# Altium PCB SAM4N_Xplained_Pro.PcbDoc (part 3 of 3)
Units mm, origin at the board's own origin, x right, y up, seen from the top; angles counter-clockwise.
Board outline 60 x 100 mm, 4 copper layers (Top Layer LF-signals, GND, POWER, Bottom Layer LF-signals), stack 1.602 mm thick; 127 components, 136 nets, 617 pads, 312 vias.
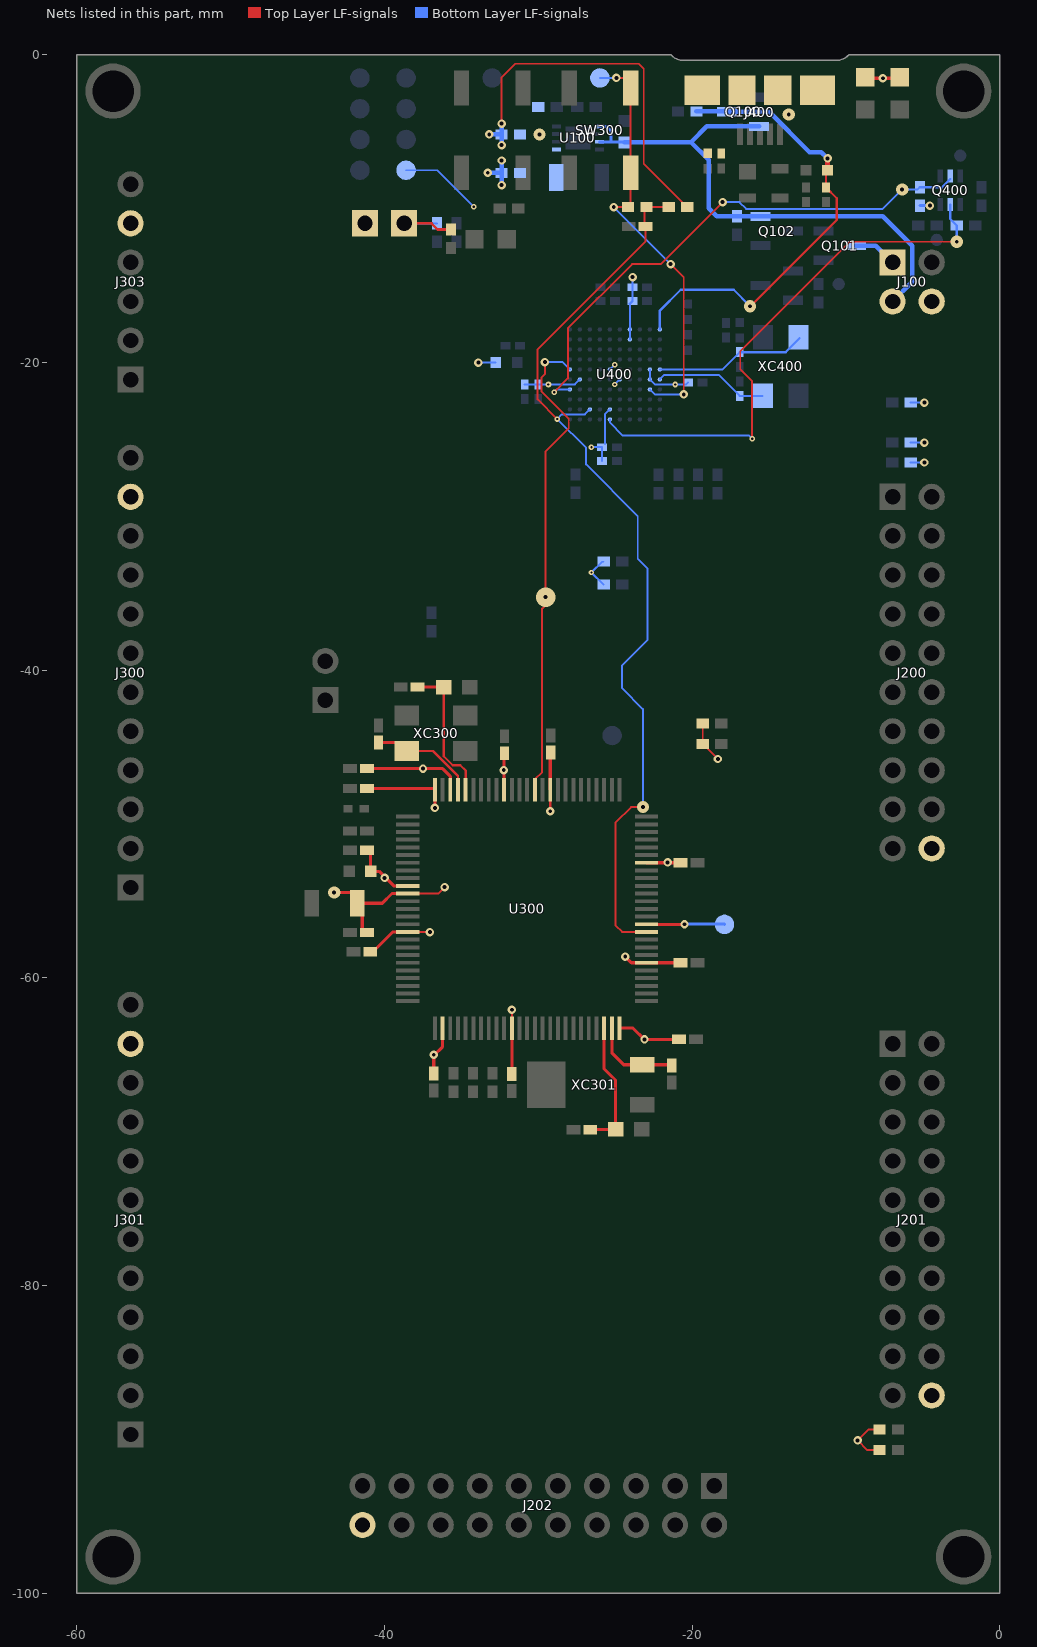
[diagram p5: the nets of this part, all layers, seen from the top]

## Via types
v1: diameter 0.55, hole 0.25, Top Layer LF-signals to Bottom Layer LF-signals, tented both sides, 201 vias
v2: diameter 0.55/0.8 (per signal layer), hole 0.25, Top Layer LF-signals to Bottom Layer LF-signals, tented top, 37 vias
v3: diameter 0.55, hole 0.25, Top Layer LF-signals to Bottom Layer LF-signals, 31 vias
v4: diameter 0.35, hole 0.15, Top Layer LF-signals to Bottom Layer LF-signals, tented both sides, 30 vias
v5: diameter 0.55, hole 0.25, Top Layer LF-signals to Bottom Layer LF-signals, tented top, 6 vias
v6: diameter 0.55/1.27 (per signal layer), hole 0.25, Top Layer LF-signals to Bottom Layer LF-signals, tented top, 3 vias
v7: diameter 0.38, hole 0.15, Top Layer LF-signals to Bottom Layer LF-signals, tented both sides, 2 vias
v8: diameter 0.35, hole 0.15, Top Layer LF-signals to Bottom Layer LF-signals, 1 vias
v9: diameter 0.38, hole 0.15, Top Layer LF-signals to Bottom Layer LF-signals, 1 vias

## Nets (pads, with @x,y where several pads share a name; then routed paths per layer and width w, separated by ;. In a path a pad name is that pad's centre, name@x,y a point inside that pad or via, vN(x,y) a via of type N, cw(c..) or ccw(c..) an arc to the next point about the centre after c; other vN are vias at no path point) (continued)
POWER_LED_CTRL: Q400.2 R410.1 U400.K4 | length 34.9
  Top Layer LF-signals w0.125: v4(-28.975,-21.925) -28.075,-21.025 -28.075,-17.775 -23.9,-13.6 -22.05,-13.6 v1(-18.025,-9.575)
  Bottom Layer LF-signals w0.125: v4(-28.975,-21.925) -28.8,-21.75 U400.K4@-27.95,-21.75 ; v1(-18.025,-9.575) -16.925,-9.575 -16.487,-10.013 -7.613,-10.013 v2(-6.35,-8.75) -5.35,-8.75 R410.1@-5.2,-8.6
  Bottom Layer LF-signals w0.15: R410.1@-5.2,-8.6 -3.753,-8.6 Q400.2@-3.225,-8.072
SHIELD: C403.2 J400.6 J400.7 J400.8 J400.9 R424.2
  other v2: -13.725,-3.875
STATUS_LED_CTRL: Q400.5 R413.2 U400.F1 | length 35.5
  Top Layer LF-signals w0.125: v4(-16.1,-24.95) -16.1,-21.225 -16.875,-20.45 -16.875,-19.279 -9.746,-12.15 v2(-2.8,-12.15)
  Bottom Layer LF-signals w0.125: U400.F1@-25.35,-23.7 -25.35,-23.898 -24.498,-24.75 -16.3,-24.75 v4(-16.1,-24.95)
  Bottom Layer LF-signals w0.15: Q400.5@-3.225,-9.725 -3.225,-10.675 R413.2@-2.8,-11.1
  Bottom Layer LF-signals w0.175: v2(-2.8,-12.15) R413.2@-2.8,-11.1
TARGET_ERASE: U300.87 U400.K6 | length 31.4
  Top Layer LF-signals w0.125: U300.87@-30.225,-47.765 -30.225,-47.1 -29.75,-46.625 -29.75,-36 -29.525,-35.775 v6(-29.525,-35.25) -29.525,-25.775 -28.025,-24.275 -28.025,-23.65 -29.8,-21.875 -29.8,-20.975 -29.575,-20.75 v1(-29.575,-19.975)
  Bottom Layer LF-signals w0.125: v1(-29.575,-19.975) -28.425,-19.975 U400.K6@-27.95,-20.45
TARGET_RESET: R303.1 SW300.3 SW300.4 TP300.1 U400.B4 | length 26.6
  Top Layer LF-signals w0.125: v5(-25.1,-9.9) R303.1@-24.175,-9.9 ; v1(-24.925,-1.5) SW300.4@-24.3,-1.5 ; R303.1@-24,-9.7 SW300.3@-24,-7.65 SW300.4@-24,-2.15 ; v1(-21.4,-13.6) -20.55,-14.45 v1(-20.55,-22.075)
  Bottom Layer LF-signals w0.125: TP300.1@-26,-1.5 v1(-24.925,-1.5) ; v5(-25.1,-9.9) v1(-21.4,-13.6) ; U400.B4@-22.75,-21.75 -22.425,-22.075 v1(-20.55,-22.075)
TARGET_RESET_SENSE: C300.1 R300.1 R303.2 U300.60 U400.H2 | length 61.1
  Top Layer LF-signals w0.125: v4(-28.775,-23.675) -30.05,-22.4 -30.05,-19.15 -23.025,-12.125 C300.1@-23.025,-11.15 ; v2(-23.2,-48.9) -23.975,-48.9 -24.975,-49.9 -24.975,-56.6 -24.555,-57.02 U300.60@-22.97,-57.02 ; C300.1@-23.1,-11.15 R303.2@-23.1,-9.8 ; R303.2@-22.975,-9.9 R300.1@-21.525,-9.9
  Bottom Layer LF-signals w0.125: U400.H2@-26.65,-23.05 -26.975,-23.375 -28.475,-23.375 v4(-28.775,-23.675) -26.9,-25.55 -26.9,-26.625 -23.537,-29.988 -23.537,-32.763 -22.9,-33.4 -22.9,-38.025 -24.557,-39.682 -24.557,-41.168 -23.2,-42.525 v2(-23.2,-48.9)
TST: TP304.1 U300.61 | length 5.1
  Top Layer LF-signals w0.2: U300.61@-22.97,-56.52 -20.505,-56.52 v5(-20.5,-56.515)
  Bottom Layer LF-signals w0.2: v5(-20.5,-56.515) -17.91,-56.515 TP304.1@-17.9,-56.525
VCC_EDBG_P3V3: C409.1 C410.1 C411.1 C412.1 C413.1 C414.1 C415.1 D400.2 D401.2 L402.1 R401.2 R402.2 R409.2 R410.2 R425.1 TP407.1 U400.B5 U400.B6 U400.D9 U400.D10 U400.E5 U400.F2 U400.F6 U400.J5 | length 30.7
  Top Layer LF-signals w0.2: D400.2@-8.756,-1.518 v1(-7.6,-1.518) D401.2@-6.47,-1.518
  Bottom Layer LF-signals w0.125: TP407.1@-38.6,-7.5 -36.575,-7.5 v4(-34.2,-9.875) ; v1(-33.9,-20) L402.1@-32.775,-20 ; C413.1@-30,-21.425 -27.625,-21.425 U400.J5@-27.3,-21.1 ; v4(-26.55,-25.5) C412.1@-25.85,-25.5 C415.1@-25.85,-26.4 ; C412.1@-25.675,-25.3 -25.675,-23.375 U400.F2@-25.35,-23.05 ; U400.F6@-25.35,-20.45 -25.325,-20.45 v4(-25.025,-20.15) ; v4(-25.025,-21.425) U400.E5@-24.7,-21.1 ; U400.D9@-24.05,-18.5 U400.D10@-24.05,-17.85 C410.1@-24.05,-16.175 ; U400.B6@-22.75,-20.45 U400.B5@-22.75,-21.1 -22.425,-21.425 -20.4,-21.425 C411.1@-20.275,-21.3 ; R409.2@-5.8,-26.5 v1(-4.9,-26.5) ; R402.2@-5.8,-25.2 v1(-4.9,-25.2) ; R401.2@-5.8,-22.6 v1(-4.9,-22.6)
  Bottom Layer LF-signals w0.15: C414.1@-30.875,-21.425 C413.1@-30,-21.425 ; C410.1@-24.05,-16.175 C410.1@-23.875,-16 C409.1@-23.875,-15.1 v1(-23.875,-14.45)
  Bottom Layer LF-signals w0.2: R410.2@-5.2,-9.8 v1(-4.55,-9.8)
  Bottom Layer LF-signals w0.3: v1(-33.29,-7.665) R425.1@-32.39,-7.665 ; v1(-32.39,-8.465) R425.1@-32.39,-7.665 ; v1(-32.39,-6.865) R425.1@-32.39,-7.665
  other v7: -29.35,-21.425 -21.1,-21.425
VCC_EDBG_USB_P5V0: C408.1 L401.2 Q100.3 R100.2 U400.A10 | length 30.1
  Top Layer LF-signals w0.125: C408.1@-11.3,-8.625 -11.3,-7.6 L401.2@-11.2,-7.5
  Top Layer LF-signals w0.15: v2(-16.238,-16.338) -16.213,-16.338 -10.6,-10.725 -10.6,-9.325 C408.1@-11.3,-8.625
  Top Layer LF-signals w0.3: L401.2@-11.2,-7.5 v1@-11.2,-6.775
  Bottom Layer LF-signals w0.15: U400.A10@-22.1,-17.85 -22.1,-16.625 -20.75,-15.275 -17.3,-15.275 v2(-16.238,-16.338)
  Bottom Layer LF-signals w0.3: R100.2@-19.725,-3.675 -17.769,-3.675 Q100.3@-17.744,-3.7 -15,-3.7 -12.375,-6.325 -11.6,-6.325 v1(-11.2,-6.725)
VCC_EXT_P5V0: J100.1@-6.97,-13.49 Q101.3 | length 2.8
  Bottom Layer LF-signals w0.3: Q101.3@-9.35,-12.4 -8.068,-12.4 J100.1@-6.978,-13.49
VCC_MCU_P1V2: C303.1 C304.1 C308.1 C309.1 C310.1 C311.1 C314.1 U300.11 U300.16 U300.36 U300.56 U300.85 U300.100 | length 31.9
  Top Layer LF-signals w0.125: U300.16@-38.48,-57.02 v1@-37.07,-57.02 ; U300.11@-38.48,-54.52 -36.52,-54.52 v3(-36.1,-54.1) ; U300.36@-31.725,-63.275 v1@-31.725,-62.075
  Top Layer LF-signals w0.15: C309.1@-40.925,-58.3 C309.1@-40.75,-58.3 ; v3@-29.225,-49.125 U300.85@-29.225,-47.765
  Top Layer LF-signals w0.2: v2(-43.275,-54.45) -42.1,-54.45 -42.075,-54.475 -42.075,-54.85 C310.1@-41.775,-55.15 ; C308.1@-41.148,-57.05 -41.2,-57.05 -41.45,-56.8 -41.45,-55.475 C310.1@-41.775,-55.15 ; C304.1@-40.95,-47.7 -36.79,-47.7 U300.100@-36.725,-47.765 v3(-36.725,-48.95) ; C309.1@-40.75,-58.3 -39.47,-57.02 U300.16@-38.48,-57.02 ; U300.11@-38.48,-54.52 -39.52,-54.52 -40.15,-55.15 C310.1@-41.775,-55.15 ; C314.1@-31.725,-66.25 U300.36@-31.725,-63.275 ; U300.85@-29.225,-47.765 -29.225,-45.375 C303.1@-29.2,-45.35 ; v3(-24.35,-58.625) -23.955,-59.02 U300.56@-22.97,-59.02 -20.755,-59.02 C311.1@-20.75,-59.025
  other v1: -31.72,-62.075 -37.05,-57.025
  other v3: -29.225,-49.175
VCC_MCU_P3V3: C301.1 C302.1 C305.1 C306.1 C307.1 C313.1 C315.1 J101.1 U300.10 U300.27 U300.50 U300.69 U300.91 U300.98 | length 22.7
  Top Layer LF-signals w0.2: C307.1@-40.95,-51.7 -40.9,-51.75 C306.1@-40.9,-53.075 -40.35,-53.075 -39.405,-54.02 U300.10@-38.48,-54.02 ; C301.1@-40.95,-46.4 -36.225,-46.4 -35.725,-46.9 U300.98@-35.725,-47.765 ; C313.1@-36.8,-66.225 -36.8,-65.05 -36.225,-64.475 U300.27@-36.225,-63.275 ; U300.91@-32.225,-47.765 -32.225,-45.425 C302.1@-32.2,-45.4 ; U300.50@-24.725,-63.275 -23.85,-63.275 -23.125,-64 C315.1@-20.85,-64 ; U300.69@-22.97,-52.52 -20.505,-52.52 C305.1@-20.5,-52.525
  other v1: -36.8,-65 -23.1,-64 -40,-53.5 -21.6,-52.5 -32.25,-46.5 -37.5,-46.4
VCC_P3V3: C100.1 R102.1 R106.1 R425.2 U100.5
  other v2: -29.925,-5.175
VCC_P5V0: C101.1 J100.3@-6.97,-16.03 Q100.2 Q102.2 R103.2 U100.1 U100.3 | length 35.6
  Bottom Layer LF-signals w0.125: -23.274,-5.675 -23.25,-5.651
  Bottom Layer LF-signals w0.2: U100.3@-26.025,-5.65 -25.275,-5.65 ; U100.1@-26.025,-4.65 -25.55,-4.65 -25.275,-4.925 -25.275,-5.65 ; C101.1@-24.425,-5.675 -24.45,-5.65 -25.275,-5.65
  Bottom Layer LF-signals w0.3: C101.1@-24.425,-5.675 -23.274,-5.675 -20.075,-5.675 ; Q100.2@-15.644,-4.65 -19.05,-4.65 -20.075,-5.675 ; J100.3@-6.978,-16.03 -5.7,-14.752 -5.7,-12.4 -7.6,-10.5 Q102.2@-15.55,-10.5 R103.2@-17.1,-10.5 -18.4,-10.5 -18.925,-9.975 -18.925,-6.825 -20.075,-5.675
VCC_TARGET_P3V3: J100.4@-4.43,-16.03 J101.2 J200.20@-4.43,-51.59 J201.20@-4.43,-87.15 J202.20@-41.43,-95.57 J300.11 J301.11 J303.5 R105.2 R106.2 R300.2 R302.2 R309.2 R311.2 R312.2 R320.2 R321.2 R322.2 | length 38.8
  Top Layer LF-signals w0.125: v1@-32.4,-4.5 -32.4,-1.475 -31.5,-0.575 -23.475,-0.575 -23.15,-0.9 -23.15,-7.075 R300.2@-20.325,-9.9 ; R312.2@-19.314,-43.46 R320.2@-19.314,-44.785 v3(-18.325,-45.773) ; R311.2@-7.825,-90.7 -8.625,-90.7 v1(-9.25,-90.075) -8.525,-89.35 R309.2@-7.825,-89.35
  Top Layer LF-signals w0.175: J101.2@-38.73,-10.95 -36.95,-10.95 -36.55,-11.35 R302.2@-35.675,-11.35
  Bottom Layer LF-signals w0.125: J101.2@-38.73,-10.95 R105.2@-36.6,-10.95 ; R321.2@-25.75,-34.425 -25.775,-34.425 v8(-26.55,-33.65) -25.85,-32.95 R322.2@-25.75,-32.95
  Bottom Layer LF-signals w0.3: v1(-33.19,-5.165) R106.2@-32.39,-5.165 ; v1(-32.39,-5.865) R106.2@-32.39,-5.165 ; v1(-32.39,-4.465) R106.2@-32.39,-5.165
XIN: C322.1 U300.97 XC300.3 | length 7
  Top Layer LF-signals w0.15: XC300.3@-38.55,-45.25 -36.85,-45.25 -35.225,-46.875 U300.97@-35.225,-47.765
  Top Layer LF-signals w0.2: C322.1@-40.4,-44.7 -39.1,-44.7 XC300.3@-38.55,-45.25
XIN0: C400.1 U400.A5 XC400.1 | length 7.4
  Bottom Layer LF-signals w0.125: U400.A5@-22.1,-21.1 -21.8,-20.8 -18.275,-20.8 C400.1@-16.9,-22.175
  Bottom Layer LF-signals w0.15: C400.1@-16.9,-22.175 XC400.1@-15.425,-22.175
XIN32: C324.1 U300.49 XC301.2 | length 5.8
  Top Layer LF-signals w0.2: U300.49@-25.225,-63.275 -25.225,-64.875 -24.45,-65.65 XC301.2@-23.25,-65.65 -21.375,-65.65 C324.1@-21.325,-65.7
XOUT: C321.1 J306.1 U300.96 | length 9.2
  Top Layer LF-signals w0.15: J306.1@-36.15,-41.1 -36.15,-45.596 -35.571,-46.175 -35.075,-46.175 -34.725,-46.525 U300.96@-34.725,-47.765
  Top Layer LF-signals w0.2: C321.1@-37.85,-41.1 J306.1@-36.15,-41.1
XOUT0: C401.1 U400.A6 XC400.3 | length 9.9
  Bottom Layer LF-signals w0.125: U400.A6@-22.1,-20.45 -18.025,-20.45 C401.1@-16.9,-19.325
  Bottom Layer LF-signals w0.15: C401.1@-16.9,-19.325 -13.925,-19.325 XC400.3@-13.025,-18.425
XOUT32: C323.1 J307.2 U300.48 | length 8.5
  Top Layer LF-signals w0.2: C323.1@-26.625,-69.875 -26.6,-69.85 J307.2@-24.975,-69.85 -24.975,-66.675 -25.725,-65.925 U300.48@-25.725,-63.275
pads on no net: J100.1@-6.97,-13.49 J100.2@-4.43,-13.49 J100.3@-6.97,-16.03 J100.4@-4.43,-16.03 J200.1@-6.97,-28.73 J200.2@-4.43,-28.73 J200.3@-6.97,-31.27 J200.4@-4.43,-31.27 J200.5@-6.97,-33.81 J200.6@-4.43,-33.81 J200.7@-6.97,-36.35 J200.8@-4.43,-36.35 J200.9@-6.97,-38.89 J200.10@-4.43,-38.89 J200.11@-6.97,-41.43 J200.12@-4.43,-41.43 J200.13@-6.97,-43.97 J200.14@-4.43,-43.97 J200.15@-6.97,-46.51 J200.16@-4.43,-46.51 J200.17@-6.97,-49.05 J200.18@-4.43,-49.05 J200.19@-6.97,-51.59 J200.20@-4.43,-51.59 J201.1@-6.97,-64.29 J201.2@-4.43,-64.29 J201.3@-6.97,-66.83 J201.4@-4.43,-66.83 J201.5@-6.97,-69.37 J201.6@-4.43,-69.37 J201.7@-6.97,-71.91 J201.8@-4.43,-71.91 J201.9@-6.97,-74.45 J201.10@-4.43,-74.45 J201.11@-6.97,-76.99 J201.12@-4.43,-76.99 J201.13@-6.97,-79.53 J201.14@-4.43,-79.53 J201.15@-6.97,-82.07 J201.16@-4.43,-82.07 J201.17@-6.97,-84.61 J201.18@-4.43,-84.61 J201.19@-6.97,-87.15 J201.20@-4.43,-87.15 J202.1@-18.57,-93.03 J202.2@-18.57,-95.57 J202.3@-21.11,-93.03 J202.4@-21.11,-95.57 J202.5@-23.65,-93.03 J202.6@-23.65,-95.57 J202.7@-26.19,-93.03 J202.8@-26.19,-95.57 J202.9@-28.73,-93.03 J202.10@-28.73,-95.57 J202.11@-31.27,-93.03 J202.12@-31.27,-95.57 J202.13@-33.81,-93.03 J202.14@-33.81,-95.57 J202.15@-36.35,-93.03 J202.16@-36.35,-95.57 J202.17@-38.89,-93.03 J202.18@-38.89,-95.57 J202.19@-41.43,-93.03 J202.20@-41.43,-95.57 J302.1@-43.848,-41.95 J302.2@-43.848,-39.41 J400.4 U100.0 U100.2 U100.4 U100.6 U400.A2 U400.A4 U400.A7 U400.B1 U400.B7 U400.C1 U400.C2 U400.C4 U400.C6 U400.D1 U400.D2 U400.D3 U400.D4 U400.D5 U400.D7 U400.E1 U400.E3 U400.E4 U400.E7 U400.F3 U400.F4 U400.G1 U400.G2 U400.G3 U400.G4 U400.G5 U400.G6 U400.G8 U400.G10 U400.H1 U400.H4 U400.H5 U400.H6 U400.J1 U400.J2 U400.J3 U400.J4 U400.J7 U400.J10 U400.K1 U400.K2 U400.K3 U400.K5 U400.K7 XC300.2 XC300.4 XC400.2 XC400.4

## Polygon pours and split planes (outlines as drawn)
no net on Top Overlay "MountingHole_Index" (solid): -4.5,-0.3 -0.3,-0.3 -0.3,-4.5 -4.5,-4.5
GND on Top Layer LF-signals "Top_GND_fill" (solid, remove dead copper, pour order 13): -59.7,-0.3 -0.3,-0.3 -0.3,-99.7 -59.7,-99.7
SHIELD on Top Layer LF-signals "SHIELD_DEBUGUSB" (solid, pour order 11): -21,-0.3 -10.2,-0.3 -10.2,-4.5 -17.5,-4.5 -17.5,-6.7 -21,-6.7
GND on Bottom Layer LF-signals "Bottom_GND_Fill" (solid, remove dead copper, pour order 12): -59.7,-0.3 -0.3,-0.3 -0.3,-99.7 -59.7,-99.7
VCC_P3V3 on Bottom Layer LF-signals "Regulator_P3V3" (solid, pour order 8): -27.925,-2.275 -27.925,-9.275 -31.79,-9.275 -31.79,-2.275 -27.925,-2.275
GND on Bottom Layer LF-signals "Regulator_GND" (solid, remove dead copper, pour order 10): -28.275,-2.275 -28.275,-9.275 -24.975,-9.275 -24.975,-2.275
GND on GND (split plane): -0.252,-99.748 -59.748,-99.748 -59.748,-0.252 -21.48,-0.252 -21.403,-0.321 -21.285,-0.405 -21.158,-0.474 -21.025,-0.53 -20.886,-0.57 -20.744,-0.594 -20.601,-0.602 -20.6,-0.602 -10.6,-0.602 -10.599,-0.602 -10.456,-0.594 -10.314,-0.57 -10.175,-0.53 -10.042,-0.474 -9.915,-0.405 -9.797,-0.321 -9.72,-0.252 -0.252,-0.252
VCC_EDBG_P3V3 on POWER (split plane): -0.252,-14.94 -5.5,-14.94 -5.539,-14.948 -5.572,-14.97 -5.594,-15.003 -5.602,-15.042 -5.602,-17.3 -5.594,-17.339 -5.572,-17.372 -4.602,-18.342 -4.602,-27.398 -29.158,-27.398 -35.798,-20.758 -35.798,-8.842 -33.408,-6.452 -31.898,-6.452 -31.859,-6.444 -31.826,-6.422 -31.728,-6.324 -31.706,-6.291 -31.698,-6.252 -31.698,-0.252 -21.48,-0.252 -21.403,-0.321 -21.285,-0.405 -21.158,-0.474 -21.025,-0.53 -20.886,-0.57 -20.744,-0.594 -20.601,-0.602 -20.6,-0.602 -10.6,-0.602 -10.599,-0.602 -10.456,-0.594 -10.314,-0.57 -10.175,-0.53 -10.042,-0.474 -9.915,-0.405 -9.797,-0.321 -9.72,-0.252 -0.252,-0.252
VCC_MCU_P1V2 on POWER (split plane): -23.102,-50.042 -23.102,-60.958 -25.042,-62.898 -35.958,-62.898 -37.898,-60.958 -37.898,-49.542 -36.458,-48.102 -25.042,-48.102
VCC_MCU_P3V3 on POWER (split plane): -40.102,-33.2 -40.094,-33.239 -40.072,-33.272 -30.772,-42.572 -30.739,-42.594 -30.7,-42.602 -24.542,-42.602 -17.402,-49.742 -17.402,-65.658 -22.442,-70.698 -35.558,-70.698 -45.798,-60.458 -45.798,-47.942 -42.678,-44.822 -42.656,-44.789 -42.648,-44.75 -42.648,-9.602 -40.133,-9.602 -40.102,-9.596
VCC_TARGET_P3V3 on POWER (split plane): -31.902,-6.21 -31.94,-6.248 -33.45,-6.248 -33.489,-6.256 -33.522,-6.278 -35.972,-8.728 -35.994,-8.761 -36.002,-8.8 -36.002,-20.8 -35.994,-20.839 -35.972,-20.872 -29.272,-27.572 -29.239,-27.594 -29.2,-27.602 -4.5,-27.602 -4.461,-27.594 -4.428,-27.572 -4.406,-27.539 -4.398,-27.5 -4.398,-18.3 -4.406,-18.261 -4.428,-18.228 -5.398,-17.258 -5.398,-15.144 -0.252,-15.144 -0.252,-99.748 -59.748,-99.748 -59.748,-0.252 -31.902,-0.252

## Keep-outs
Keep-Out Layer:
  lines w0.1: -59.7,-99.7 -0.3,-99.7 -0.3,-0.3 -9.825,-0.3 cw(c-10.6,0.386) -10.6,-0.649 -20.599,-0.649 cw(c-20.599,0.386) -21.375,-0.3 -54.259,-0.3 -59.7,-0.3 -59.7,-99.7

## Other copper
Top Layer LF-signals:
  pour cut-out: -37.518,-49.193 -37.052,-48.727 -23.373,-48.727 -22.97,-49.13 -22.97,-61.22 -25.025,-63.275 -36.725,-63.275 -38.48,-61.52 -38.15,-61.19 -38.15,-49.825
POWER (plane layer: these items are gaps in the copper):
  lines w0.2: -40.094,-9.461 -40.133,-9.5 -42.75,-9.5 -42.75,-44.75 -45.9,-47.9 -45.9,-60.5 -35.6,-70.8 -22.4,-70.8 -17.3,-65.7 -17.3,-49.7 -24.5,-42.5 -30.7,-42.5 -40,-33.2 -40,-9.5 ; -31.8,0 -31.8,-6.252 -31.898,-6.35 -33.45,-6.35 -35.9,-8.8 -35.9,-20.8 -29.2,-27.5 -4.5,-27.5 -4.5,-18.3 -5.5,-17.3 -5.5,-15.042 -0.252,-15.042 ; -38,-61 -36,-63 -25,-63 -23,-61 -23,-50 -25,-48 -36.5,-48 -38,-49.5 -38,-61

## Silkscreen, mask and mechanical layers (free items; w line width, h text height)
Top Overlay:
  pour cut-out: 208 vertices and 0 holes, not listed, extent -4.15,-4.15 -0.549,-0.55
  text "GND" at -59.025,-5.4 h1.52
  text "GND" at -3.75,-5.75 h1.52
  text "DEBUG USB" at -21.4,-8.1 h1.5 r90
  text "GND" at -54.575,-8.865 h1.5
  text "VCC_MCU" at -40.925,-9.3 h1 r90
  text "VCC_TARGET" at -38.3,-9.275 h1 r90
  text "POWER" at -8.25,-10 h1.5 r90
  text "STATUS" at -6,-10.25 h1.5 r90
  text "SW0" at -36.2,-10.5 h1.5
  text "RESET" at -29.275,-10.5 h1.5
  text "VCC" at -54.575,-11.406 h1.5
  text "PWR" at -7.525,-12.025 h1.5
  text "5.0V_IN" at -18.345,-13.734 h0.67
  text "GND" at -12.475,-13.79 h0.67
  text "PB13_DAC0" at -54.575,-13.863 h1.5
  text "1" at -9.063,-13.913 h1.5
  text "LED0" at -34.552,-14.15 h1.5
  text "5.0V" at -16.442,-16.331 h0.67
  text "VCC" at -12.475,-16.331 h0.67
  text "PA2_DATRG" at -54.575,-16.403 h1.5
  text "3" at -9.063,-16.453 h1.5
  text "PC15_AD11" at -54.575,-18.942 h1.5
  text "B" at -35.333,-19.75 h7
  text "PC13_AD10" at -54.575,-21.483 h1.5
  text "SAM4N" at -38.024,-23.628 h2
  text "X" at -30.7,-23.65 h4
  text "PLAINED" at -27.275,-23.65 h2
  text "PRO" at -18.204,-23.637 h1
  text "EXT1" at -7.7,-26.1 h1.5
  text "GND" at -54.575,-26.645 h1.5
  text "VCC" at -54.575,-29.186 h1.5
  text "ID" at -17.242,-29.194 h1.5
  text "GND" at -13.275,-29.194 h1.5
  text "1" at -8.913,-29.189 h1.5
  text "PB4_PWM2" at -54.575,-31.643 h1.5
  text "3" at -8.913,-31.728 h1.5
  text "PA17" at -17.242,-31.734 h1.5
  text "PA18" at -13.275,-31.734 h1.5
  text "PA31_PCK2" at -54.575,-34.183 h1.5
  text "5" at -8.913,-34.262 h1.5
  text "PA24" at -17.242,-34.274 h1.5
  text "PA25" at -13.275,-34.274 h1.5
  text "PC17_PCK1" at -54.575,-36.722 h1.5
  text "7" at -8.913,-36.801 h1.5
  text "PC23" at -17.242,-36.814 h1.5
  text "PC24" at -13.275,-36.814 h1.5
  text "GND" at -45.213,-37.775 h1.5
  text "PC16_PCK0" at -54.575,-39.263 h1.5
  text "PA0" at -17.242,-39.354 h1.5
  text "PA23" at -13.275,-39.354 h1.5
  text "9" at -8.913,-39.349 h1.5
  text "12MHz CRYSTAL" at -41.725,-39.975 h1.5
  text "PC31_TCLK5" at -54.575,-41.803 h1.5
  text "PA3" at -17.242,-41.894 h1.5
  text "PA4" at -13.275,-41.894 h1.5
  text "11" at -9.675,-41.889 h1.5
  text "PC28_TCLK4" at -54.575,-44.343 h1.5
  text "PA21" at -17.242,-44.434 h1.5
  text "PA22" at -13.275,-44.434 h1.5
  text "13" at -9.675,-44.429 h1.5
  text "ADVREF" at -46.4,-44.525 h1.5
  text "SAM4N16CA" at -28.35,-46.1 h1.5
  text "PC25_TCLK3" at -54.575,-46.883 h1.5
  text "PA11" at -17.242,-46.974 h1.5
  text "PA13" at -13.275,-46.974 h1.5
  text "15" at -9.675,-46.969 h1.5
  text "PA29_TCLK2" at -54.575,-49.423 h1.5
  text "PA12" at -17.242,-49.514 h1.5
  text "PA14" at -13.275,-49.514 h1.5
  text "17" at -9.675,-49.509 h1.5
  text "PA28_TCLK1" at -54.575,-51.963 h1.5
  text "GND" at -17.242,-52.054 h1.5
  text "VCC" at -13.275,-52.054 h1.5
  text "19" at -9.675,-52.049 h1.5
  text "PA4_TCLK0" at -54.575,-54.503 h1.5
  text "EXT2" at -6.978,-61.75 h1.5
  text "GND" at -54.575,-62.205 h1.5
  text "ID" at -17.242,-64.718 h1.5
  text "GND" at -13.275,-64.718 h1.5
  text "1" at -8.838,-64.713 h1.5
  text "VCC" at -54.575,-64.746 h1.5
  text "PC12_AD12" at -54.575,-67.203 h1.5
  text "PA19" at -17.242,-67.259 h1.5
  text "PA20" at -13.275,-67.259 h1.5
  text "3" at -8.838,-67.253 h1.5
  text "PA25_GPIO" at -54.575,-69.743 h1.5
  text "5" at -8.838,-69.793 h1.5
  text "PC0" at -17.242,-69.805 h1.5
  text "PC1" at -13.275,-69.805 h1.5
  text "32kHz CRYSTAL" at -31.736,-72.2 h1.5
  text "PC24_GPIO" at -54.575,-72.283 h1.5
  text "7" at -8.838,-72.333 h1.5
  text "PC26" at -17.242,-72.345 h1.5
  text "PC27" at -13.275,-72.345 h1.5
  text "PC23_GPIO" at -54.575,-74.823 h1.5
  text "PA1" at -17.242,-74.877 h1.5
  text "PC8" at -13.275,-74.877 h1.5
  text "9" at -8.838,-74.873 h1.5
  text "PC22_GPIO" at -54.575,-77.363 h1.5
  text "PB0" at -17.242,-77.414 h1.5
  text "PB1" at -13.275,-77.413 h1.5
  text "11" at -9.6,-77.413 h1.5
  text "PC11_GPIO" at -54.575,-79.903 h1.5
  text "PA5" at -17.242,-79.958 h1.5
  text "PA6" at -13.275,-79.958 h1.5
  text "13" at -9.6,-79.953 h1.5
  text "PC6_GPIO" at -54.575,-82.443 h1.5
  text "PC4" at -17.242,-82.498 h1.5
  text "PA13" at -13.275,-82.498 h1.5
  text "15" at -9.6,-82.493 h1.5
  text "GND" at -40.872,-83.978 h1.5 r90
  text "PA12" at -38.314,-83.978 h1.5 r90
  text "PC7" at -35.783,-83.978 h1.5 r90
  text "PB10" at -33.248,-83.978 h1.5 r90
  text "PA3" at -30.794,-83.978 h1.5 r90
  text "PB2" at -28.286,-83.978 h1.5 r90
  text "PA26" at -25.751,-83.978 h1.5 r90
  text "PC2" at -23.207,-83.978 h1.5 r90
  text "PC29" at -20.668,-83.978 h1.5 r90
  text "ID" at -18.225,-83.978 h1.5 r90
  text "PC5_GPIO" at -54.575,-84.983 h1.5
  text "PA12" at -17.242,-85.038 h1.5
  text "PA14" at -13.275,-85.038 h1.5
  text "17" at -9.6,-85.033 h1.5
  text "GND" at -17.242,-87.45 h1.5
  text "VCC" at -13.275,-87.45 h1.5
  text "19" at -9.6,-87.573 h1.5
  text "PA16_URXD2" at -54.575,-87.606 h1.5
  text "VCC" at -40.872,-87.97 h1.5 r90
  text "PA14" at -38.314,-87.97 h1.5 r90
  text "PA13" at -35.783,-87.97 h1.5 r90
  text "PB11" at -33.248,-87.97 h1.5 r90
  text "PA4" at -30.794,-87.97 h1.5 r90
  text "PB3" at -28.287,-87.97 h1.5 r90
  text "PA27" at -25.751,-87.97 h1.5 r90
  text "PC3" at -23.207,-87.97 h1.5 r90
  text "PC30" at -20.668,-87.97 h1.5 r90
  text "GND" at -18.225,-87.97 h1.5 r90
  text "EXT3" at -31.7,-89.7 h1.5
  text "PA15_UTXD2" at -54.575,-90.146 h1.5
  text "19" at -42.03,-91.214 h1.5
  text "17" at -39.49,-91.214 h1.5
  text "15" at -36.95,-91.214 h1.5
  text "13" at -34.41,-91.214 h1.5
  text "11" at -31.87,-91.214 h1.5
  text "9" at -29.076,-91.214 h1.5
  text "7" at -26.536,-91.214 h1.5
  text "5" at -23.996,-91.214 h1.5
  text "3" at -21.456,-91.214 h1.5
  text "1" at -18.916,-91.214 h1.5
  text "GND" at -59.075,-95.575 h1.52
  text "GND" at -3.8,-95.6 h1.52
Bottom Overlay:
  lines w0.1: -16.35,-22.85 -16.35,-23.075 -16.175,-23.25 -15.95,-23.25
  text "BOOT" at -34.05,-1.9 h1.5
  text "GND" at -42.6,-2 h1.5
  text "TCK" at -42.6,-4 h1.5
  text "RST" at -34.827,-4 h1.5
  text "TDI" at -42.6,-6 h1.5
  text "TDO" at -34.6,-6 h1.5
  text "TMS" at -42.6,-8 h1.5
  text "VCC" at -34.621,-8 h1.5
  text "EXT" at -6.25,-12.175 h0.67
  text "GND" at -0.9,-13.8 h0.67
  text "5.0V" at -8.2,-16.35 h0.67
  text "VCC" at -0.9,-16.35 h0.67
  text "p" at -44.475,-16.575 h4 r270
  text "t" at -43.5,-20.253 h4 r270
  text "A08-1763 Rev 2" at -52.575,-25.208 h2 r270
  text "c" at -44.525,-25.35 h4 r270
  text "Atmel Corp © 2013" at -46.825,-26.646 h2 r270
  text "ID" at -8.792,-29.066 h0.67
  text "GND" at -0.825,-29.066 h0.67
  text "PA17" at -8.792,-31.606 h0.67
  text "PA18" at -0.825,-31.606 h0.67
  text "PA24" at -8.792,-34.146 h0.67
  text "PA25" at -0.825,-34.146 h0.67
  text "ERASE" at -27.331,-34.254 h1.5
  text "SWCLK" at -22.2,-36.2 h1.5
  text "PC23" at -8.792,-36.686 h0.67
  text "PC24" at -0.825,-36.686 h0.67
  text "PA0" at -8.792,-39.226 h0.67
  text "PA23" at -0.825,-39.226 h0.67
  text "SWDIO" at -24.3,-40.675 h1.5
  text "PA3" at -8.792,-41.766 h0.67
  text "PA4" at -0.825,-41.766 h0.67
  text "JTAGSEL" at -22.176,-43.195 h1.5
  text "PA21" at -8.792,-44.306 h0.67
  text "PA22" at -0.825,-44.306 h0.67
  text "PA11" at -8.792,-46.846 h0.67
  text "PA13" at -0.825,-46.846 h0.67
  text "PA12" at -8.792,-49.386 h0.67
  text "PA14" at -0.825,-49.386 h0.67
  text "GND" at -8.792,-51.926 h0.67
  text "VCC" at -0.825,-51.926 h0.67
  text "TST" at -16.663,-55.55 h1.5
  text "XPLAINED PRO" at -16.2,-62.975 h0.67
  text "EXTENSION HEADER" at -14.856,-64.125 h0.67
  text "ID" at -8.792,-64.59 h0.67
  text "GND" at -0.825,-64.59 h0.67
  text "PA19" at -8.792,-67.131 h0.67
  text "PA20" at -0.825,-67.131 h0.67
  text "ID" at -20.125,-67.158 h1.3
  text "GND" at -13,-67.157 h1.3
  text "ADC+" at -20.125,-69.283 h1.3
  text "ADC-" at -13,-69.282 h1.3
  text "PC0" at -8.792,-69.677 h0.67
  text "PC1" at -0.825,-69.677 h0.67
  text "GPIO0" at -20.125,-71.408 h1.3
  text "GPIO1" at -13,-71.407 h1.3
  text "PC26" at -8.792,-72.218 h0.67
  text "PC27" at -0.825,-72.218 h0.67
  text "PWM+" at -20.125,-73.532 h1.3
  text "PWM-" at -13,-73.532 h1.3
  text "PA1" at -8.792,-74.75 h0.67
  text "PC8" at -0.825,-74.75 h0.67
  text "IRQ" at -20.125,-75.657 h1.3
  text "SPI_SS_B" at -13,-75.657 h1.3
  text "PB0" at -8.792,-77.29 h0.67
  text "PB1" at -0.825,-77.29 h0.67
  text "TWI_SDA" at -20.125,-77.782 h1.3
  text "TWI_SCL" at -13,-77.782 h1.3
  text "PA5" at -8.792,-79.83 h0.67
  text "PA6" at -0.825,-79.83 h0.67
  text "UART_RX" at -20.125,-79.907 h1.3
  text "UART_TX" at -13,-79.907 h1.3
  text "SPI_SS_A" at -20.125,-82.032 h1.3
  text "SPI_MOSI" at -13,-82.032 h1.3
  text "PC4" at -8.792,-82.37 h0.67
  text "PA13" at -0.825,-82.37 h0.67
  text "SPI_MISO" at -20.125,-84.157 h1.3
  text "SPI_SCK" at -13,-84.157 h1.3
  text "PA12" at -8.792,-84.91 h0.67
  text "PA14" at -0.825,-84.91 h0.67
  text "GND" at -20.125,-86.282 h1.3
  text "VCC" at -13,-86.282 h1.3
  text "GND" at -8.792,-87.45 h0.67
  text "VCC" at -0.825,-87.45 h0.67
  text "GND" at -41.671,-91.203 h0.67 r270
  text "PA12" at -39.114,-91.203 h0.67 r270
  text "PC7" at -36.582,-91.203 h0.67 r270
  text "PB10" at -34.047,-91.203 h0.67 r270
  text "PA3" at -31.594,-91.203 h0.67 r270
  text "PB2" at -29.081,-91.203 h0.67 r270
  text "PA26" at -26.551,-91.203 h0.67 r270
  text "PC2" at -24.007,-91.203 h0.67 r270
  text "PC29" at -21.468,-91.203 h0.67 r270
  text "ID" at -19.024,-91.203 h0.67 r270
  text "VCC" at -41.671,-99.195 h0.67 r270
  text "PA14" at -39.114,-99.195 h0.67 r270
  text "PA13" at -36.582,-99.195 h0.67 r270
  text "PB11" at -34.047,-99.195 h0.67 r270
  text "PA4" at -31.594,-99.195 h0.67 r270
  text "PB3" at -29.081,-99.195 h0.67 r270
  text "PA27" at -26.551,-99.195 h0.67 r270
  text "PC3" at -24.007,-99.195 h0.67 r270
  text "PC30" at -21.468,-99.195 h0.67 r270
  text "GND" at -19.024,-99.195 h0.67 r270
Mechanical 1:
  lines w0.1: -19.1,-0.353 -12.082,-0.353 ; -60,-100 0,-100 0,0 -9.825,0 cw(c-10.6,0.686) -10.6,-0.35 -20.6,-0.35 cw(c-20.6,0.686) -21.375,-0.001 -54.259,0 -60,0 -60,-100
Mechanical 4:
  lines w0.3: -167.55,-169.275 -167.05,-169.775 ; -167.5,-88.775 -167,-88.275 ; -167.05,-129.95 -167.05,-169.775 ; -167,-119.275 -167,-88.275 ; -166.55,-169.275 -167.05,-169.775 ; -166.5,-88.775 -167,-88.275 ; -164.625,-130.025 -164.625,-144.8 -148.975,-160.45 -138.175,-160.45 -128.2,-170.425 ; -164.625,-119.15 -164.625,-113.4 -148.975,-97.75 -135,-83.775 -129.9,-83.775 ; -130.4,-84.275 -129.9,-83.775 ; -130.4,-83.275 -129.9,-83.775 ; -129,-170.425 -128.2,-170.425 ; -128.2,-169.625 -128.2,-170.425 ; 91.45,26.625 97.95,26.625 97.95,40.425 ; 91.45,28.775 96,28.775 96,43.325 ; 91.45,31.05 94.975,31.05 94.975,45.375 97.275,45.375 ; 91.45,33.125 94.075,33.125 94.075,47.35 97.275,47.35 ; 96.546,42.65 97.246,43.35 96.546,44.05 ; 96.575,44.675 97.275,45.375 ; 96.575,46.075 97.275,45.375 ; 96.575,46.65 97.275,47.35 ; 96.575,48.05 97.275,47.35 ; 97.25,39.725 97.95,40.425 ; 97.3,39.625 98,40.325 98.7,39.625 ; 98.65,39.725 97.95,40.425 ; 100.3,39.625 101,40.325 101.7,39.625 ; 100.35,39.725 101.05,40.425 ; 101.75,39.725 101.05,40.425 ; 102.425,42.725 101.725,43.425 ; 102.425,44.125 101.725,43.425 ; 102.425,44.675 101.725,45.375 ; 102.425,46.075 101.725,45.375 ; 102.425,46.65 101.725,47.35 ; 102.425,48.05 101.725,47.35 ; 105.925,45.6 106.625,46.3 ; 106.625,41.725 106.625,46.3 ; 107.325,45.6 106.625,46.3 ; 107.55,26.625 101.05,26.625 101.05,40.425 ; 107.55,28.775 103,28.775 103,43.425 101.725,43.425 ; 107.55,31.05 104.025,31.05 104.025,45.375 101.725,45.375 ; 107.55,33.125 104.925,33.125 104.925,47.35 101.725,47.35 ; 112.9,45.65 113.6,46.35 ; 113.6,44.35 113.6,46.35 ; 114.3,45.65 113.6,46.35 ; -167.05,-169.775 -167.05,-169.775 ; -167.05,-169.775 -167.05,-169.775 ; -167,-88.275 -167,-88.275 ; -167,-88.275 -167,-88.275
  text "Medium MCU Test Points" at 84.373,62.275 h5
  text "Medium MCU Mechanical Dimensions" at -184.563,56.225 h5
  text "TP_TARGET_RESET" at 113.175,42.775 h1
  text "TP_TARGET_BOOT" at 106.15,40.15 h1
  text "TP_GND" at 85.173,32.675 h1
  text "TP_EDBG_BOOT" at 108.35,32.675 h1
  text "TP_EDBG_TCK" at 80.175,30.467 h1
  text "TP_EDBG_RESET" at 108.35,30.467 h1
  text "TP_EDBG_TDI" at 80.508,28.258 h1
  text "TP_EDBG_TDO" at 108.35,28.258 h1
  text "TP_EDBG_TMS" at 80.175,26.05 h1
  text "TP_VCC_EDBG_P3V3" at 108.35,26.05 h1
  text "Medium MCU Component Placement" at -181.35,-72.475 h5
  text "1" at -123.212,-91.15 h1
  text "2" at -120.838,-91.15 h1
  text "Power Connector" at -141.584,-94.36 h1
  text "1" at -123.212,-106.39 h1
  text "2" at -120.838,-106.39 h1
  text "Extension Connector 1" at -144.333,-119.76 h1
  text "Rubber Feet" at -172.925,-121.85 h1
  text "Placed on Bottom side" at -172.925,-123.75 h1
  text "h = 2.8mm" at -172.925,-125.65 h1
  text "3M MPN: SJ-5076" at -172.925,-127.55 h1
  text "1" at -123.187,-141.95 h1
  text "2" at -120.813,-141.95 h1
  text "Extension Connector 2" at -144.5,-155.32 h1
  text "Extension Connector 3" at -156.13,-170.238 h1
  text "1" at -131.83,-172.297 h1 r90
  text "2" at -131.83,-175.003 h1 r90
Mechanical 6:
  drawing of 254 lines, arcs and shapes, not listed
Mechanical 15:
  lines w0.5: -6.216,-40.16 -5.2,-40.16 ; -6.2,-14.76 -5.2,-14.76 ; -5.708,-40.668 -5.708,-39.652 ; -5.708,-15.252 -5.708,-14.252
Mechanical 16:
  lines w0.127: -219,-126.915 -213.92,-126.915 ; -219,-56.255 -213.92,-56.255 ; -219,14.23 -213.92,14.23 ; -169.724,-197.4 -169.724,-192.32 ; -169.724,79.46 -169.724,84.54 ; -125.7,79.46 -125.7,84.54 ; -120.575,-197.4 -120.575,-192.32 ; -76.525,79.46 -76.525,84.54 ; -71.426,-197.4 -71.426,-192.32 ; -22.15,-197.4 -22.15,-192.32 ; -22.15,79.46 -22.15,84.54 ; 26.999,-197.4 26.999,-192.32 ; 26.999,79.46 26.999,84.54 ; 55.32,-184.7 169.62,-184.7 ; 55.32,-177.08 169.62,-177.08 ; 55.32,-169.46 93.42,-169.46 ; 76.148,-197.4 76.148,-192.32 ; 76.148,79.46 76.148,84.54 ; 93.42,-192.32 93.42,-177.08 93.42,-161.84 ; 125.424,-197.4 125.424,-192.32 ; 125.424,79.46 125.424,84.54 ; 146.76,-192.32 146.76,-177.08 ; 169.62,-126.915 174.7,-126.915 ; 169.62,-56.3 174.7,-56.3 ; 169.62,14.185 174.7,14.185 ; 55.32,-192.32 55.32,-161.84 ; 55.32,-192.32 169.62,-192.32 ; 55.32,-192.32 19.76,-192.32 19.76,-161.84 55.32,-161.84 ; 55.32,-161.84 93.42,-161.84 ; 93.42,-161.84 169.62,-161.84 169.62,-192.32 ; 169.62,-192.32 169.62,79.46 -213.92,79.46 -213.92,-192.32 169.62,-192.32 ; -219,-197.4 174.7,-197.4 174.7,84.54 -219,84.54 -219,-197.4
  text "1" at -194.963,81.111 h0.67
  text "4" at -47.372,81.111 h0.67
  text "5" at 1.904,81.111 h0.67
  text "6" at 50.926,81.111 h0.67
  text "7" at 100.456,81.111 h0.67
  text "8" at 149.478,81.111 h0.67
  text "2" at -148.474,80.975 h0.67
  text "3" at -101.924,80.825 h0.67
  text "A" at -217.095,47.301 h0.67
  text "A" at 171.525,47.256 h0.67
  text "B" at 171.605,-20.799 h0.67
  text "B" at -217.095,-23.311 h0.67
  text "C" at 172.25,-90.25 h0.67
  text "C" at -217.188,-91.488 h0.67
  text "D" at -217.095,-164.202 h0.67
  text "D" at 171.525,-164.202 h0.67
  text "ENGINEER:" at 56.59,-164.38 h0.67
  text "TITLE:" at 94.69,-164.38 h0.67
  text "PCB DESIGNER:" at 56.59,-171.873 h0.67
  text "B" at 20.75,-177 h22
  text "DATE:" at 56.59,-179.62 h0.67
  text "PART NO.:" at 94.69,-179.62 h0.67
  text "REV:" at 148.03,-179.62 h0.67
  text ".PRINT_DATE" at 56.7,-183.5 h0.67
  text "ATMEL NORWAY" at 24,-184.4 h0.67
  text "Vestre Rosten 79" at 23.97,-186.478 h0.67
  text "FILE NAME:" at 56.59,-187.24 h0.67
  text "DWG NO:" at 94.69,-187.24 h0.67
  text "SCALE:" at 148.03,-187.24 h0.67
  text "N-7075 Tiller" at 23.97,-189.78 h0.67
  text ".PCB_FILE_NAME_NO_PATH" at 57.86,-190.288 h0.67
  text "2" at -145.34,-195.688 h0.67
  text "3" at -95.81,-195.688 h0.67
  text "4" at -46.788,-195.688 h0.67
  text "5" at 1.904,-195.688 h0.67
  text "6" at 50.926,-195.688 h0.67
  text "7" at 100.456,-195.688 h0.67
  text "8" at 149.478,-195.688 h0.67

## Dimensions
97.75,43.35 to 97.75,41.35 on Mechanical 4
113.85,47.35 to 139.6,48.85 on Mechanical 4
139.6,48.85 to 98,47.6 on Mechanical 4
139.6,48.85 to 101,47.6 on Mechanical 4
139.6,48.85 to 106.6,47.6 on Mechanical 4
139.6,48.85 to 113.6,47.6 on Mechanical 4
-121.05,-83.6 to -116.05,-79.1 on Mechanical 4
-125.05,-79.6 to -116.05,-79.1 on Mechanical 4
-171.05,-83.6 to -176.05,-79.1 on Mechanical 4
-176.05,-79.1 to -167.05,-79.6 on Mechanical 4
-167.05,-83.6 to -161.75,-89.2 on Mechanical 4
-146.55,-173.4 to -176.05,-179.1 on Mechanical 4
-176.05,-179.1 to -146.05,-173.892 on Mechanical 4
-121.283,-93.86 to -116.05,-179.1 on Mechanical 4
-121.283,-119.26 to -116.05,-179.1 on Mechanical 4
-121.258,-154.82 to -116.05,-179.1 on Mechanical 4
-121.75,-155.32 to -116.05,-179.1 on Mechanical 4
-158.33,-45.092 to -156.4,-41.275 on Mechanical 4
-176.9,47.9 to -174.55,46.9 on Mechanical 4
-176.9,47.9 to -175.9,45.55 on Mechanical 4
-176.9,-52.1 to -116.9,-52.1 on Mechanical 4
-116.9,47.9 to -116.9,-52.1 on Mechanical 4
-123.895,34.41 to -119.396,38.909 on Mechanical 4
-119.25,45.55 to -123.625,50.3 on Mechanical 4
0.1,-58.2 to 0.1,-92.2 on Mechanical 4
-0.401,-12.068 to -0.398,-53.012 on Mechanical 4
-21.375,0 to 0.1,-60 on Mechanical 4
-0.4,-27.3 to -0.398,-53.012 on Mechanical 4
-21.375,0 to -20.6,-0.35 on Mechanical 4
-21.375,0 to -60,0 on Mechanical 4

## Text inside footprints (layer, text, board x,y; h text height)
LABEL1: Bottom Overlay "PCBA LABEL" at -50.075,-22.975 h1.52 r270